# KiCad board alana-kb.kicad_pcb (continued)
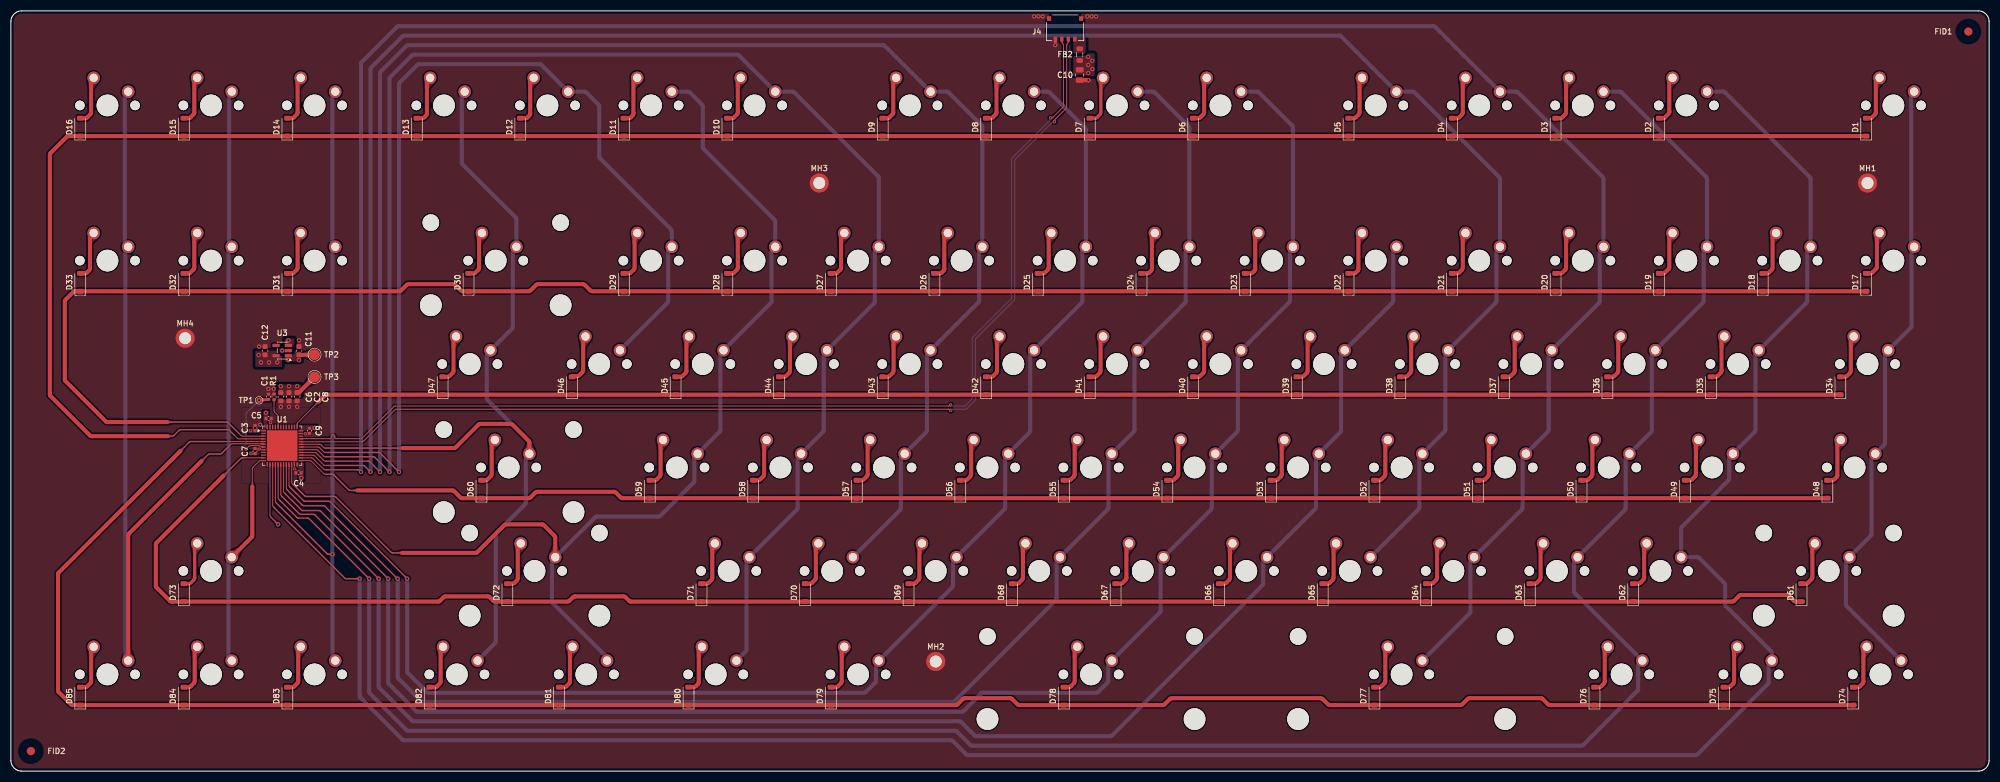
[diagram p0: board, top side]
## Routing (per net, layer and track width the routed paths; a pad name or vN(x,y) marks a point on that pad's centre or on a via; arc(x,y) is an arc through that point)
/Power Supply/3V3: length 4.4
  Top w0.75: C8.1 52.83,69.71 arc(52.99,69.74) 53.12,69.83 TP3.1
  vias: v1(44.07,62.69) v1(44.17,58.46) v2(45.59,76.63) v2(46.02,75.28) v2(46.92,65.99) v2(47.52,75.28) v2(49.02,75.28) v2(49.67,70.89) v2(51.17,70.89) v2(52.67,70.89) v2(53.42,53.99) v2(55.87,63.19)
/Power Supply/5V0: length 2.9
  Top w0.75: TP2.1 55.83,76.65 C11.1
  vias: v2(51.06,79.32) v2(51.06,75.69) v2(53.02,75.69) v2(198.22,131.54) v2(198.22,130.04) v2(198.22,128.54) v2(198.97,130.79) v2(198.97,129.29)
GND: length 2.7
  Top w0.5: v2(192.17,133.69) J4.4
  Top w0.75: C10.2 v2(198.27,127.24)
  vias: v1(45.67,59.29) v1(47.75,64.21) v1(54.19,62.12) v2(45.67,78.19) v2(45.87,63.79) v2(47.37,70.39) v2(48.37,70.39) v2(49.67,67.09) v2(49.92,77.44) v2(51.17,67.09) v2(52.67,67.09) v2(53.02,79.32) v2(188.27,138.98) v2(189.07,138.98) v2(189.87,138.98) v2(198.07,138.99) v2(198.87,138.99) v2(199.67,138.99) v3(52.17,55.69)
/Keyboard Matrix/C1: length 424.2
  Top w0.18: 47.9,46.71 47.79,46.82 arc(47.7,46.95) 47.67,47.1 U1.14
  Top w0.25: v2(49.17,45.44) 47.9,46.71
  In2.Cu w0.75: MX61.1 338.29,42.32 329.42,51.19 54.92,51.19 v2(49.17,45.44)
  Bottom w0.75: MX74.1 337.8,30.36 arc(337.69,30.53) 337.66,30.72 337.66,38.56 arc(337.69,38.75) 337.8,38.91 MX61.1 342.21,43.32 arc(342.32,43.48) 342.36,43.68 342.36,57.55 arc(342.39,57.74) 342.5,57.9 MX48.1 344.71,60.11 arc(344.82,60.27) 344.86,60.46 344.86,76.72 arc(344.89,76.91) 345,77.07 MX34.1 349.58,81.65 arc(349.69,81.81) 349.73,82 349.73,95.88 arc(349.76,96.07) 349.87,96.23 350.2,96.55 349.79,96.96 arc(349.68,97.12) 349.65,97.31 349.65,124.37 arc(349.68,124.56) 349.79,124.72 MX1.1
/Keyboard Matrix/C2: length 457.3
  Top w0.18: U1.15 48.17,48.95 arc(48.2,48.8) 48.29,48.67 48.37,48.59
  Top w0.25: v2(64.17,35.44) 61.69,35.44 arc(61.54,35.47) 61.41,35.55 48.37,48.59
  Bottom w0.75: MX2.1 315.06,125.13 arc(315.26,125.09) 315.42,124.98 331,109.4 arc(331.11,109.24) 331.15,109.05 331.15,96.55 330.68,96.09 arc(330.57,95.93) 330.54,95.74 330.54,86.62 arc(330.5,86.43) 330.39,86.27 MX35.1 321.15,77.03 arc(321.04,76.87) 321.01,76.68 321.01,62.81 arc(320.97,62.62) 320.86,62.45 MX49.1 316.32,57.92 arc(316.21,57.75) 316.18,57.56 316.18,53.9 arc(316.14,53.71) 316.03,53.54 307.48,44.99 arc(307.37,44.83) 307.33,44.64 MX62.1 310.3,39.4 arc(310.49,39.36) 310.66,39.26 315.28,34.63 arc(315.39,34.47) 315.43,34.27 315.43,30.72 arc(315.47,30.53) 315.58,30.37 323.86,22.09 arc(323.97,21.92) 324,21.73 MX75.1 323.54,19.89 arc(323.45,19.76) 323.42,19.61 323.42,16.35 arc(323.39,16.2) 323.31,16.07 310.29,3.05 arc(310.16,2.97) 310.01,2.94 176.09,2.94 arc(175.94,2.97) 175.81,3.05 173.29,5.57 arc(173.16,5.66) 173.01,5.69 72.34,5.69 arc(72.19,5.72) 72.06,5.8 64.29,13.57 arc(64.2,13.7) 64.17,13.85 v2(64.17,35.44)
/Keyboard Matrix/C3: length 427.2
  Top w0.18: U1.17 49.17,50.35 arc(49.2,50.2) 49.29,50.07 49.37,49.99
  Top w0.25: v2(65.92,35.44) 54.89,46.47 arc(54.76,46.56) 54.61,46.59 52.94,46.59 arc(52.79,46.62) 52.66,46.7 49.37,49.99
  Bottom w0.75: MX3.1 296.01,125.13 arc(296.21,125.09) 296.37,124.98 311.95,109.4 arc(312.06,109.24) 312.1,109.05 312.1,96.55 311.62,96.08 arc(311.51,95.92) 311.48,95.73 311.48,86.61 arc(311.44,86.42) 311.33,86.26 MX36.1 302.08,77.01 arc(301.97,76.85) 301.94,76.66 301.94,62.79 arc(301.9,62.6) 301.79,62.43 MX50.1 297.27,57.92 arc(297.16,57.75) 297.13,57.56 297.13,48.45 arc(297.09,48.26) 296.98,48.1 MX63.1 287.77,38.89 arc(287.66,38.73) 287.63,38.54 287.63,33.12 arc(287.66,32.93) 287.77,32.77 MX76.1 299.54,19.7 arc(299.45,19.57) 299.42,19.42 299.42,15.1 arc(299.39,14.95) 299.31,14.82 289.29,4.8 arc(289.16,4.72) 289.01,4.69 176.84,4.69 arc(176.69,4.72) 176.56,4.8 174.04,7.32 arc(173.91,7.41) 173.76,7.44 73.09,7.44 arc(72.94,7.47) 72.81,7.55 66.04,14.32 arc(65.95,14.45) 65.92,14.6 v2(65.92,35.44)
/Keyboard Matrix/C4: length 432.9
  Top w0.18: U1.26 55.31,57.69 arc(55.46,57.66) 55.59,57.57 57.56,55.6 arc(57.69,55.52) 57.84,55.49 58.07,55.49
  Top w0.25: 58.07,55.49 63.86,55.49 arc(64.01,55.46) 64.14,55.37 v2(64.42,55.09)
  Bottom w0.75: MX77.1 268.41,29.05 arc(268.52,29.22) 268.56,29.41 268.56,38.52 arc(268.59,38.71) 268.7,38.87 MX64.1 278.01,48.18 arc(278.12,48.34) 278.16,48.53 278.16,57.64 arc(278.19,57.83) 278.3,58 MX51.1 282.81,62.5 arc(282.92,62.67) 282.96,62.86 282.96,76.73 arc(282.99,76.92) 283.1,77.08 MX37.1 292.21,86.19 arc(292.32,86.35) 292.36,86.54 292.36,95.66 arc(292.39,95.85) 292.5,96.01 293.05,96.55 293.05,109.05 arc(293.01,109.24) 292.9,109.4 277.32,124.98 arc(277.16,125.09) 276.96,125.13 MX4.1 262.05,137.07 arc(261.92,137.16) 261.77,137.19 71.34,137.19 arc(71.19,137.16) 71.06,137.07 64.54,130.55 arc(64.45,130.42) 64.42,130.27 v2(64.42,55.09)
/Keyboard Matrix/C5: length 389
  Top w0.18: 58.07,56.29 57.84,56.29 arc(57.69,56.32) 57.56,56.4 55.89,58.07 arc(55.76,58.16) 55.61,58.19 U1.27
  Top w0.25: 58.07,56.29 64.81,56.29 arc(64.96,56.26) 65.09,56.17 v2(66.17,55.09)
  Bottom w0.75: MX65.1 259.01,48.23 arc(259.12,48.39) 259.16,48.58 259.16,57.69 arc(259.19,57.88) 259.3,58.05 MX52.1 263.81,62.55 arc(263.92,62.72) 263.96,62.91 263.96,76.78 arc(263.99,76.97) 264.1,77.13 MX38.1 273.21,86.24 arc(273.32,86.4) 273.36,86.59 273.36,95.71 arc(273.39,95.9) 273.5,96.06 274,96.55 274,109.05 arc(273.96,109.24) 273.85,109.4 258.27,124.98 arc(258.11,125.09) 257.91,125.13 MX5.1 244.75,135.32 arc(244.62,135.41) 244.47,135.44 72.34,135.44 arc(72.19,135.41) 72.06,135.32 66.29,129.55 arc(66.2,129.42) 66.17,129.27 v2(66.17,55.09)
/Keyboard Matrix/C6: length 300.2
  Top w0.18: U1.18 49.67,50.95 arc(49.7,50.8) 49.79,50.67 49.87,50.59
  Top w0.25: v2(67.67,35.44) 55.94,47.17 arc(55.81,47.26) 55.66,47.29 53.34,47.29 arc(53.19,47.32) 53.06,47.4 49.87,50.59
  Bottom w0.75: v2(67.67,35.44) 67.67,15.6 arc(67.7,15.45) 67.79,15.32 73.81,9.3 arc(73.94,9.22) 74.09,9.19 174.51,9.19 arc(174.66,9.16) 174.79,9.07 177.31,6.55 arc(177.44,6.47) 177.59,6.44 202.32,6.44 arc(202.47,6.47) 202.6,6.55 230.31,34.26 arc(230.39,34.39) 230.42,34.54 230.42,38.53 arc(230.45,38.68) 230.54,38.81 MX66.1 240.01,48.28 arc(240.12,48.44) 240.16,48.63 240.16,57.74 arc(240.19,57.93) 240.3,58.1 MX53.1 244.61,62.4 arc(244.72,62.57) 244.76,62.76 244.76,76.63 arc(244.79,76.82) 244.9,76.98 MX39.1 254.21,86.29 arc(254.32,86.45) 254.36,86.64 254.36,95.76 arc(254.39,95.95) 254.5,96.11 254.95,96.55
/Keyboard Matrix/C7: length 315.3
  Top w0.18: 50.37,51.19 50.29,51.27 arc(50.2,51.4) 50.17,51.55 U1.19
  Top w0.25: 50.37,51.19 53.46,48.1 arc(53.59,48.02) 53.74,47.99 56.71,47.99 arc(56.86,47.96) 56.99,47.87 v2(69.42,35.44)
  Bottom w0.75: v2(69.42,35.44) 69.42,16.35 arc(69.45,16.2) 69.54,16.07 74.56,11.05 arc(74.69,10.97) 74.84,10.94 175.01,10.94 arc(175.16,10.97) 175.29,11.05 178.56,14.32 arc(178.69,14.41) 178.84,14.44 199.76,14.44 arc(199.91,14.47) 200.04,14.55 201.81,16.32 arc(201.89,16.45) 201.92,16.6 201.92,19.55 arc(201.95,19.7) 202.04,19.83 MX78.1 211.41,29.2 arc(211.52,29.37) 211.56,29.56 211.56,38.67 arc(211.59,38.86) 211.7,39.02 MX67.1 220.81,48.13 arc(220.92,48.29) 220.96,48.48 220.96,57.59 arc(220.99,57.78) 221.1,57.95 MX54.1 225.61,62.45 arc(225.72,62.62) 225.76,62.81 225.76,76.68 arc(225.79,76.87) 225.9,77.03 MX40.1 235.21,86.34 arc(235.32,86.5) 235.36,86.69 235.36,95.81 arc(235.39,96) 235.5,96.16 235.9,96.55 235.9,118.54 arc(235.86,118.73) 235.75,118.89 229.66,124.98 arc(229.5,125.09) 229.3,125.13 MX6.1
/Keyboard Matrix/C8: length 290.1
  Top w0.18: 50.85,51.76 50.79,51.82 arc(50.7,51.95) 50.67,52.1 U1.20 ; 71.12,35.44 v2(71.17,35.44)
  Top w0.25: 50.85,51.76 53.61,49 arc(53.74,48.92) 53.89,48.89 57.51,48.89 arc(57.66,48.86) 57.79,48.77 71.12,35.44
  Bottom w0.75: v2(71.17,35.44) 71.17,17.35 arc(71.2,17.2) 71.29,17.07 75.56,12.8 arc(75.69,12.72) 75.84,12.69 173.27,12.69 arc(173.46,12.73) 173.62,12.83 192.28,31.49 arc(192.39,31.65) 192.42,31.84 192.42,38.63 arc(192.45,38.78) 192.54,38.91 MX68.1 201.81,48.18 arc(201.92,48.34) 201.96,48.53 201.96,57.64 arc(201.99,57.83) 202.1,58 MX55.1 206.61,62.5 arc(206.72,62.67) 206.76,62.86 206.76,76.73 arc(206.79,76.92) 206.9,77.08 MX41.1 216.01,86.19 arc(216.12,86.35) 216.16,86.54 216.16,95.66 arc(216.19,95.85) 216.3,96.01 216.85,96.55 216.85,118.39 arc(216.81,118.58) 216.7,118.74 210.46,124.98 arc(210.3,125.09) 210.1,125.13 MX7.1
/Keyboard Matrix/C9: length 268.6
  Top w0.18: U1.21 51.17,52.65 arc(51.2,52.5) 51.29,52.37 51.42,52.24
  Top w0.25: v2(72.92,35.44) 58.79,49.57 arc(58.66,49.66) 58.51,49.69 54.14,49.69 arc(53.99,49.72) 53.86,49.8 51.42,52.24
  Bottom w0.75: v2(72.92,35.44) 72.92,18.35 arc(72.95,18.2) 73.04,18.07 76.56,14.55 arc(76.69,14.47) 76.84,14.44 157.01,14.44 arc(157.16,14.47) 157.29,14.55 159.06,16.32 arc(159.14,16.45) 159.17,16.6 159.17,19.66 arc(159.2,19.82) 159.29,19.95 MX79.1 173.21,33.87 arc(173.32,34.03) 173.36,34.22 173.36,38.57 arc(173.39,38.76) 173.5,38.92 MX69.1 182.81,48.23 arc(182.92,48.39) 182.96,48.58 182.96,57.69 arc(182.99,57.88) 183.1,58.05 MX56.1 187.41,62.35 arc(187.52,62.52) 187.56,62.71 187.56,76.58 arc(187.59,76.77) 187.7,76.93 MX42.1 197.01,86.24 arc(197.12,86.4) 197.16,86.59 197.16,95.71 arc(197.19,95.9) 197.3,96.06 197.8,96.55 197.8,118.1 arc(197.76,118.29) 197.65,118.46 191.13,124.98 arc(190.96,125.09) 190.77,125.13 MX8.1
/Keyboard Matrix/C10: length 297.7
  Top w0.18: 58.07,57.09 57.84,57.09 arc(57.69,57.12) 57.56,57.2 56.19,58.57 arc(56.06,58.66) 55.91,58.69 U1.28
  Top w0.25: 58.07,57.09 65.76,57.09 arc(65.91,57.06) 66.04,56.97 v2(67.92,55.09)
  Bottom w0.75: MX70.1 163.61,48.08 arc(163.72,48.24) 163.76,48.43 163.76,57.54 arc(163.79,57.73) 163.9,57.9 MX57.1 168.41,62.4 arc(168.52,62.57) 168.56,62.76 168.56,76.63 arc(168.59,76.82) 168.7,76.98 MX43.1 178.01,86.29 arc(178.12,86.45) 178.16,86.64 178.16,95.76 arc(178.19,95.95) 178.3,96.11 178.75,96.55 178.75,118.57 arc(178.71,118.76) 178.6,118.92 172.54,124.98 arc(172.38,125.09) 172.19,125.13 MX9.1 160.78,133.57 arc(160.65,133.66) 160.5,133.69 73.09,133.69 arc(72.94,133.66) 72.81,133.57 68.04,128.8 arc(67.95,128.67) 67.92,128.52 v2(67.92,55.09)
/Keyboard Matrix/C11: length 291.3
  Top w0.18: U1.29 56.21,59.19 arc(56.36,59.16) 56.49,59.07 57.56,58 arc(57.69,57.92) 57.84,57.89 58.07,57.89
  Top w0.25: v2(69.67,55.09) 66.99,57.77 arc(66.86,57.86) 66.71,57.89 58.07,57.89
  Bottom w0.75: MX80.1 135.21,22.06 arc(135.32,22.22) 135.36,22.41 135.36,38.67 arc(135.39,38.86) 135.5,39.02 MX71.1 144.61,48.13 arc(144.72,48.29) 144.76,48.48 144.76,57.59 arc(144.79,57.78) 144.9,57.95 MX58.1 149.41,62.45 arc(149.52,62.62) 149.56,62.81 149.56,76.68 arc(149.59,76.87) 149.7,77.03 MX44.1 158.81,86.14 arc(158.92,86.3) 158.96,86.49 158.96,95.61 arc(158.99,95.8) 159.1,95.96 159.7,96.55 159.7,109.22 arc(159.66,109.41) 159.55,109.57 144.14,124.98 arc(143.98,125.09) 143.79,125.13 MX10.1 133.95,131.82 arc(133.82,131.91) 133.67,131.94 74.09,131.94 arc(73.94,131.91) 73.81,131.82 69.79,127.8 arc(69.7,127.67) 69.67,127.52 v2(69.67,55.09)
/Keyboard Matrix/C12: length 206.3
  Top w0.18: 51.87,52.89 51.79,52.97 arc(51.7,53.1) 51.67,53.25 U1.22
  Top w0.25: 51.87,52.89 54.06,50.7 arc(54.19,50.62) 54.34,50.59 59.51,50.59 arc(59.66,50.56) 59.79,50.47 69.96,40.3 arc(70.09,40.22) 70.24,40.19 71.97,40.19
  Top w0.75: 71.97,40.19 85.51,40.19 arc(85.66,40.22) 85.79,40.3 90.81,45.32 arc(90.94,45.41) 91.09,45.44 97.76,45.44 arc(97.91,45.41) 98.04,45.32 100.05,43.31 arc(100.14,43.18) 100.17,43.03 MX72.1
  Bottom w0.75: MX11.1 124.56,125.13 arc(124.76,125.09) 124.92,124.98 127.17,122.73 arc(127.27,122.57) 127.31,122.38 127.31,114.93 arc(127.35,114.74) 127.46,114.58 140.5,101.54 arc(140.61,101.38) 140.65,101.19 140.65,96.55 140.1,96.01 arc(139.99,95.85) 139.96,95.66 139.96,86.54 arc(139.92,86.35) 139.81,86.19 MX45.1 130.7,77.08 arc(130.59,76.92) 130.56,76.73 130.56,62.86 arc(130.52,62.67) 130.41,62.5 MX59.1 125.9,58 arc(125.79,57.83) 125.76,57.64 125.76,53.49 arc(125.72,53.3) 125.61,53.14 119.5,47.03 arc(119.34,46.92) 119.15,46.88 107.85,46.88 arc(107.66,46.84) 107.5,46.74 MX72.1 99.7,38.94 arc(99.59,38.78) 99.56,38.59 99.56,31.3 arc(99.59,31.11) 99.7,30.94 109.54,21.1 arc(109.65,20.94) 109.69,20.75 MX81.1
/Keyboard Matrix/C13: length 187.3
  Top w0.18: 58.07,58.69 57.84,58.69 arc(57.69,58.72) 57.56,58.8 56.79,59.57 arc(56.66,59.66) 56.51,59.69 U1.30
  Top w0.25: v2(71.42,55.09) 67.94,58.57 arc(67.81,58.66) 67.66,58.69 58.07,58.69
  Bottom w0.75: v2(71.42,55.09) 71.42,126.52 arc(71.45,126.67) 71.54,126.8 74.81,130.07 arc(74.94,130.16) 75.09,130.19 97.32,130.19 arc(97.47,130.16) 97.6,130.07 MX12.1 105.51,125.13 arc(105.71,125.09) 105.87,124.98 108.12,122.73 arc(108.22,122.57) 108.26,122.38 108.26,113.18 arc(108.3,112.99) 108.41,112.83 121.45,99.79 arc(121.56,99.63) 121.6,99.44 121.6,96.55 121.1,96.06 arc(120.99,95.9) 120.96,95.71 120.96,86.59 arc(120.92,86.4) 120.81,86.24 MX46.1
/Keyboard Matrix/C14: length 166
  Top w0.18: 58.07,59.49 57.84,59.49 arc(57.69,59.52) 57.56,59.6 57.09,60.07 arc(56.96,60.16) 56.81,60.19 U1.31
  Top w0.25: 72.07,59.49 58.07,59.49
  Top w0.75: 72.07,59.49 81.56,59.49 arc(81.71,59.52) 81.84,59.6 86.06,63.82 arc(86.19,63.91) 86.34,63.94 92.01,63.94 arc(92.16,63.91) 92.29,63.82 95.29,60.83 arc(95.37,60.7) 95.4,60.54 MX60.1
  Bottom w0.75: MX13.1 83.1,124.73 arc(82.99,124.57) 82.96,124.38 82.96,112.09 arc(82.99,111.9) 83.1,111.74 92.88,101.96 arc(92.98,101.8) 93.02,101.61 93.02,96.55 92.5,96.03 arc(92.39,95.87) 92.36,95.68 92.36,81.81 arc(92.32,81.62) 92.21,81.45 87.7,76.95 arc(87.59,76.78) 87.56,76.59 87.56,68.69 arc(87.59,68.5) 87.7,68.34 95.26,60.78 arc(95.37,60.62) 95.4,60.43 MX60.1 94.9,57.95 arc(94.79,57.79) 94.76,57.6 94.76,49.49 arc(94.72,49.3) 94.61,49.14 89.36,43.88 arc(89.25,43.72) 89.21,43.53 89.21,23.89 arc(89.17,23.7) 89.07,23.54 MX82.1
/Keyboard Matrix/C15: length 127
  Top w0.18: U1.16 48.67,49.7 arc(48.7,49.55) 48.79,49.42 48.9,49.31
  Top w0.25: 48.9,49.31 58.16,40.05 arc(58.29,39.97) 58.44,39.94 v2(59.17,39.94)
  Bottom w0.75: MX83.1 59.29,20.75 arc(59.2,20.87) 59.17,21.03 v2(59.17,39.94) 59.17,95.88 arc(59.2,96.03) 59.29,96.16 59.68,96.55 59.3,96.93 arc(59.19,97.1) 59.16,97.29 59.16,124.39 arc(59.19,124.58) 59.3,124.75 MX14.1
/Keyboard Matrix/C16: length 126.6
  Top w0.18: 44.42,52.39 44.42,55.67 arc(44.45,55.82) 44.54,55.95 45.66,57.07 arc(45.79,57.16) 45.94,57.19 U1.12
  Top w0.75: MX73.1 44.31,43.08 arc(44.39,43.2) 44.42,43.36 44.42,52.39
  Bottom w0.75: MX15.1 40.3,124.8 arc(40.19,124.63) 40.16,124.44 40.16,97.24 arc(40.19,97.05) 40.3,96.88 40.63,96.55 40.2,96.12 arc(40.09,95.96) 40.06,95.77 40.06,40.19 arc(40.09,40) 40.2,39.83 MX73.1 40.18,38.95 arc(40.07,38.79) 40.04,38.6 40.04,21.16 arc(40.07,20.97) 40.18,20.8 MX84.1
/Keyboard Matrix/C17: length 160.7
  Top w0.18: 40.22,59.94 40.46,60.17 arc(40.59,60.26) 40.74,60.29 46.39,60.29 U1.6
  Top w0.25: 40.22,59.94 38.79,58.5 arc(38.66,58.42) 38.51,58.39 36.54,58.39 arc(36.39,58.36) 36.26,58.27 35.07,57.09
  Top w0.75: MX85.1 21.58,43.43 arc(21.61,43.58) 21.7,43.71 35.07,57.09
  Bottom w0.75: MX85.1 21.21,20.72 arc(21.1,20.89) 21.07,21.08 21.07,95.83 arc(21.1,96.02) 21.21,96.18 21.58,96.55 21.1,97.03 arc(20.99,97.2) 20.96,97.39 20.96,124.29 arc(20.99,124.48) 21.1,124.65 MX16.1
/Keyboard Matrix/R1: length 423.5
  Top w0.18: 41.07,61.89 41.66,61.3 arc(41.79,61.22) 41.94,61.19 U1.4
  Top w0.25: 41.07,61.89 40.19,62.77 arc(40.06,62.86) 39.91,62.89 31.24,62.89 arc(31.09,62.86) 30.96,62.77 29.99,61.8 arc(29.86,61.72) 29.71,61.69 28.87,61.69
  Top w0.75: 28.87,61.69 14.84,61.69 arc(14.69,61.72) 14.56,61.8 7.29,69.07 arc(7.2,69.2) 7.17,69.35 7.17,113.52 arc(7.2,113.67) 7.29,113.8 10.31,116.82 arc(10.44,116.91) 10.59,116.94 D16.1 D15.1 D14.1 D13.1 D12.1 D11.1 D10.1 D9.1 D8.1 D7.1 D6.1 D5.1 D4.1 D3.1 D2.1 D1.1
/Keyboard Matrix/R2: length 389.6
  Top w0.18: 41.92,62.24 42.36,61.8 arc(42.49,61.72) 42.64,61.69 U1.3
  Top w0.25: 28.77,64.29 39.71,64.29 arc(39.86,64.26) 39.99,64.17 41.92,62.24
  Top w0.75: 28.77,64.29 17.74,64.29 arc(17.59,64.32) 17.46,64.4 10.04,71.82 arc(9.95,71.95) 9.92,72.1 9.92,86.52 arc(9.95,86.67) 10.04,86.8 11.48,88.25 arc(11.61,88.33) 11.76,88.36 D33.1 D32.1 D31.1 71.45,88.36 arc(71.64,88.4) 71.8,88.51 72.83,89.54 arc(73,89.65) 73.19,89.69 81.42,89.69 arc(81.61,89.65) 81.78,89.54 82.81,88.51 arc(82.97,88.4) 83.16,88.36 D30.1 95.26,88.36 arc(95.45,88.4) 95.61,88.51 96.65,89.54 arc(96.81,89.65) 97,89.69 105.24,89.69 arc(105.43,89.65) 105.59,89.54 106.62,88.51 arc(106.78,88.4) 106.98,88.36 D29.1 D28.1 D27.1 D26.1 D25.1 D24.1 D23.1 D22.1 D21.1 D20.1 D19.1 D18.1 D17.1
/Keyboard Matrix/R3: length 286.8
  Top w0.18: 56.62,68.04 52.79,64.2 arc(52.7,64.07) 52.67,63.92 U1.37
  Top w0.75: D34.1 D35.1 D36.1 D37.1 D38.1 D39.1 D40.1 D41.1 D42.1 D43.1 D44.1 D45.1 D46.1 D47.1 58.06,69.31 arc(57.91,69.28) 57.78,69.2 56.62,68.04
/Keyboard Matrix/R4: length 284.5
  Top w0.18: 58.07,54.69 57.84,54.69 arc(57.69,54.72) 57.56,54.8 55.29,57.07 arc(55.16,57.16) 55.01,57.19 U1.25
  Top w0.25: 63.77,51.69 62.44,51.69 arc(62.29,51.72) 62.16,51.8 59.39,54.57 arc(59.26,54.66) 59.11,54.69 58.07,54.69
  Top w0.75: 334.24,50.26 112.56,50.26 arc(112.37,50.3) 112.2,50.41 111.32,51.29 arc(111.16,51.4) 110.97,51.44 96.85,51.44 arc(96.66,51.4) 96.5,51.29 95.61,50.41 arc(95.45,50.3) 95.26,50.26 83.01,50.26 arc(82.86,50.29) 82.73,50.38 81.54,51.57 arc(81.41,51.66) 81.26,51.69 63.77,51.69
/Keyboard Matrix/R5: length 340.6
  Top w0.18: 42.87,57.69 U1.11
  Top w0.25: 42.87,57.69 42.59,57.69 arc(42.44,57.66) 42.31,57.57 39.15,54.41
  Top w0.75: 39.15,54.41 26.79,42.05 arc(26.7,41.92) 26.67,41.77 26.67,34.1 arc(26.7,33.95) 26.79,33.82 29.28,31.33 arc(29.41,31.24) 29.56,31.21 D73.1 78.59,31.21 arc(78.78,31.25) 78.95,31.36 79.63,32.04 arc(79.79,32.15) 79.98,32.19 87.75,32.19 arc(87.94,32.15) 88.11,32.04 88.79,31.36 arc(88.95,31.25) 89.14,31.21 D72.1 102.4,31.21 arc(102.6,31.25) 102.76,31.36 103.44,32.04 arc(103.6,32.15) 103.79,32.19 112.73,32.19 arc(112.92,32.15) 113.08,32.04 113.77,31.36 arc(113.93,31.25) 114.12,31.21 D71.1 D70.1 D69.1 D68.1 D67.1 D66.1 D65.1 D64.1 D63.1 D62.1 316.72,31.21 arc(316.91,31.25) 317.07,31.36 318,32.29 arc(318.17,32.4) 318.36,32.44 326.79,32.44 arc(326.98,32.4) 327.15,32.29 328.08,31.36 arc(328.24,31.25) 328.43,31.21 D61.1
/Keyboard Matrix/R6: length 403.8
  Top w0.18: 39.37,60.69 U1.5
  Top w0.25: 39.37,60.69 33.09,60.69 arc(32.94,60.66) 32.81,60.57 31.2,58.96
  Top w0.75: D74.1 D75.1 D76.1 283.19,12.16 arc(283,12.2) 282.83,12.31 281.85,13.29 arc(281.69,13.4) 281.5,13.44 268.4,13.44 arc(268.21,13.4) 268.05,13.29 267.06,12.31 arc(266.9,12.2) 266.71,12.16 D77.1 242.71,12.16 arc(242.52,12.2) 242.35,12.31 241.37,13.29 arc(241.21,13.4) 241.02,13.44 213.63,13.44 arc(213.44,13.4) 213.28,13.29 212.3,12.31 arc(212.13,12.2) 211.94,12.16 D78.1 185.56,12.16 arc(185.37,12.2) 185.2,12.31 184.22,13.29 arc(184.06,13.4) 183.87,13.44 175.53,13.44 arc(175.34,13.4) 175.18,13.29 174.2,12.31 arc(174.03,12.2) 173.84,12.16 D79.1 D80.1 D81.1 D82.1 D83.1 D84.1 D85.1 11.36,12.16 arc(11.21,12.19) 11.08,12.28 8.79,14.57 arc(8.7,14.7) 8.67,14.85 8.67,36.27 arc(8.7,36.42) 8.79,36.55 31.2,58.96
/STM32/BOOT0: length 5.3
  Top w0.18: R1.1 48.42,66.4 arc(48.45,66.25) 48.54,66.12 49.06,65.6 arc(49.14,65.47) 49.17,65.32 U1.44
/STM32/MCU_D_N: length 201
  Top w0.181: v1(192.03,119.58) 192.03,119.71 arc(192.06,119.87) 192.15,120 194.15,122 arc(194.23,122.13) 194.26,122.28 194.26,133.66 arc(194.3,133.82) 194.38,133.95 194.46,134.02 arc(194.54,134.15) 194.57,134.3 J4.2 ; U1.32 53.4,60.65 64.62,60.65 arc(64.78,60.68) 64.91,60.76 70.67,66.53 arc(70.8,66.62) 70.95,66.65 172.55,66.65 arc(172.7,66.62) 172.83,66.53 v1(172.92,66.44)
  Bottom w0.181: v1(172.92,66.44) 173.02,66.53 arc(173.15,66.62) 173.3,66.65 175.63,66.65 arc(175.78,66.68) 175.91,66.76 177.35,68.2 arc(177.43,68.33) 177.46,68.48 177.46,79.4 arc(177.5,79.55) 177.58,79.68 184.6,86.7 arc(184.68,86.83) 184.71,86.98 184.71,112.4 arc(184.75,112.55) 184.83,112.68 191.61,119.47 arc(191.74,119.55) 191.9,119.58 v1(192.03,119.58)
/STM32/MCU_D_P: length 201
  Top w0.181: U1.33 53.4,61.23 58.76,61.23 arc(58.93,61.3) 59,61.47 59,61.67 arc(59.07,61.84) 59.24,61.91 59.36,61.91 arc(59.53,61.84) 59.6,61.67 59.6,61.47 arc(59.67,61.3) 59.84,61.23 64.38,61.23 arc(64.54,61.26) 64.67,61.34 70.43,67.11 arc(70.56,67.2) 70.71,67.23 172.55,67.23 arc(172.7,67.26) 172.83,67.34 v1(172.92,67.44) ; J4.3 193.37,134.3 arc(193.4,134.15) 193.49,134.02 193.57,133.95 arc(193.65,133.82) 193.68,133.66 193.68,122.52 arc(193.65,122.37) 193.57,122.24 191.73,120.41 arc(191.6,120.32) 191.45,120.29 v1(191.32,120.29)
  Bottom w0.181: v1(191.32,120.29) 191.32,120.16 arc(191.29,120.01) 191.2,119.88 184.25,112.92 arc(184.16,112.79) 184.13,112.64 184.13,87.22 arc(184.1,87.07) 184.02,86.94 177,79.92 arc(176.91,79.79) 176.88,79.64 176.88,68.72 arc(176.85,68.57) 176.77,68.44 175.67,67.34 arc(175.54,67.26) 175.39,67.23 173.3,67.23 arc(173.15,67.26) 173.02,67.34 v1(172.92,67.44)
/STM32/NRST: length 15.4
  Top w0.18: v1(43.27,59.29) 43.81,59.82 arc(43.94,59.91) 44.09,59.94 45.63,59.94 arc(45.79,59.91) 45.92,59.82 45.93,59.8 arc(46.06,59.72) 46.21,59.69 U1.7 ; C1.1 47.42,68.44 47.37,68.39
  Top w0.5: v2(45.67,68.29) 45.77,68.39 47.35,68.39 C1.1
  Bottom w0.18: v2(45.67,68.29) 43.39,66 arc(43.3,65.87) 43.27,65.72 v1(43.27,59.29)
Net-(D1-A): length 8.9
  Top w0.75: D1.2 342.1,120.24 arc(342.3,120.28) 342.46,120.38 343.01,120.94 arc(343.12,121.1) 343.16,121.29 343.16,126.77 arc(343.19,126.96) 343.3,127.12 MX1.2
Net-(D2-A): length 8.9
  Top w0.75: D2.2 303.99,120.24 arc(304.18,120.28) 304.35,120.38 305.01,121.05 arc(305.12,121.21) 305.16,121.4 305.16,126.87 arc(305.19,127.06) 305.3,127.22 MX2.2
Net-(D3-A): length 9
  Top w0.75: D3.2 285.1,120.24 arc(285.3,120.28) 285.46,120.38 286.01,120.94 arc(286.12,121.1) 286.16,121.29 286.16,126.92 arc(286.19,127.11) 286.3,127.27 MX3.2
Net-(D4-A): length 9
  Top w0.75: MX4.2 267.3,127.32 arc(267.19,127.16) 267.16,126.97 267.16,121.29 arc(267.12,121.1) 267.01,120.94 266.46,120.38 arc(266.3,120.28) 266.1,120.24 D4.2
Net-(D5-A): length 9.1
  Top w0.75: MX5.2 248.3,127.37 arc(248.19,127.21) 248.16,127.02 248.16,121.29 arc(248.12,121.1) 248.01,120.94 247.46,120.38 arc(247.3,120.28) 247.1,120.24 D5.2
Net-(D6-A): length 9.1
  Top w0.75: MX6.2 219.7,127.35 arc(219.59,127.19) 219.56,127 219.56,121.29 arc(219.52,121.1) 219.41,120.94 218.86,120.38 arc(218.7,120.28) 218.5,120.24 D6.2
Net-(D7-A): length 9.1
  Top w0.6: MX7.2 200.7,127.4 arc(200.59,127.24) 200.56,127.05 200.56,121.29 arc(200.52,121.1) 200.41,120.94 199.86,120.38 arc(199.7,120.28) 199.5,120.24 D7.2
Net-(D8-A): length 9
  Top w0.75: MX8.2 181.5,127.25 arc(181.39,127.09) 181.36,126.9 181.36,121.29 arc(181.32,121.1) 181.21,120.94 180.66,120.38 arc(180.5,120.28) 180.3,120.24 D8.2
Net-(D9-A): length 9
  Top w0.75: MX9.2 162.5,127.3 arc(162.39,127.14) 162.36,126.95 162.36,121.29 arc(162.32,121.1) 162.21,120.94 161.66,120.38 arc(161.5,120.28) 161.3,120.24 D9.2
Net-(D10-A): length 9
  Top w0.75: D10.2 132.7,120.24 arc(132.9,120.28) 133.06,120.38 133.61,120.94 arc(133.72,121.1) 133.76,121.29 133.76,126.92 arc(133.79,127.11) 133.9,127.27 MX10.2
Net-(D11-A): length 9
  Top w0.75: MX11.2 114.7,127.12 arc(114.59,126.96) 114.56,126.77 114.56,121.09 arc(114.52,120.9) 114.41,120.74 114.06,120.38 arc(113.9,120.28) 113.7,120.24 D11.2
Net-(D12-A): length 9.1
  Top w0.75: D12.2 94.7,120.24 arc(94.9,120.28) 95.06,120.38 95.41,120.74 arc(95.52,120.9) 95.56,121.09 95.56,126.82 arc(95.59,127.01) 95.7,127.17 MX12.2
Net-(D13-A): length 9.1
  Top w0.75: D13.2 75.7,120.24 arc(75.9,120.28) 76.06,120.38 76.41,120.74 arc(76.52,120.9) 76.56,121.09 76.56,126.87 arc(76.59,127.06) 76.7,127.22 MX13.2
Net-(D14-A): length 9
  Top w0.75: D14.2 51.7,120.24 arc(51.9,120.28) 52.06,120.38 52.61,120.94 arc(52.72,121.1) 52.76,121.29 52.76,126.88 arc(52.79,127.07) 52.9,127.24 MX14.2
Net-(D15-A): length 9
  Top w0.75: D15.2 32.7,120.24 arc(32.9,120.28) 33.06,120.38 33.61,120.94 arc(33.72,121.1) 33.76,121.29 33.76,126.93 arc(33.79,127.12) 33.9,127.29 MX15.2
Net-(D16-A): length 9.1
  Top w0.75: MX16.2 14.9,127.34 arc(14.79,127.17) 14.76,126.98 14.76,121.29 arc(14.72,121.1) 14.61,120.94 14.06,120.38 arc(13.9,120.28) 13.7,120.24 D16.2
Net-(D17-A): length 9
  Top w0.75: D17.2 342.15,91.66 arc(342.35,91.7) 342.51,91.81 343.21,92.51 arc(343.32,92.67) 343.36,92.86 343.36,98.4 arc(343.39,98.59) 343.5,98.75 MX17.2
Net-(D18-A): length 9
  Top w0.75: MX18.2 324.3,98.6 arc(324.19,98.44) 324.16,98.25 324.16,92.69 arc(324.12,92.5) 324.01,92.34 323.48,91.81 arc(323.32,91.7) 323.13,91.66 D18.2
Net-(D19-A): length 8.9
  Top w0.75: D19.2 304,91.66 arc(304.2,91.7) 304.36,91.81 305.01,92.46 arc(305.12,92.62) 305.16,92.81 305.16,98.3 arc(305.19,98.49) 305.3,98.65 MX19.2
Net-(D20-A): length 9
  Top w0.75: D20.2 285.13,91.66 arc(285.32,91.7) 285.48,91.81 286.01,92.34 arc(286.12,92.5) 286.16,92.69 286.16,98.35 arc(286.19,98.54) 286.3,98.7 MX20.2
Net-(D21-A): length 9.1
  Top w0.75: D21.2 266.13,91.66 arc(266.32,91.7) 266.48,91.81 267.01,92.34 arc(267.12,92.5) 267.16,92.69 267.16,98.4 arc(267.19,98.59) 267.3,98.75 MX21.2
Net-(D22-A): length 9.1
  Top w0.75: D22.2 247.13,91.66 arc(247.32,91.7) 247.48,91.81 247.81,92.14 arc(247.92,92.3) 247.96,92.49 247.96,98.25 arc(247.99,98.44) 248.1,98.6 MX22.2
Net-(D23-A): length 9.1
  Top w0.75: MX23.2 229.1,98.65 arc(228.99,98.49) 228.96,98.3 228.96,92.49 arc(228.92,92.3) 228.81,92.14 228.48,91.81 arc(228.32,91.7) 228.13,91.66 D23.2
Net-(D24-A): length 9.1
  Top w0.75: MX24.2 210.1,98.7 arc(209.99,98.54) 209.96,98.35 209.96,92.49 arc(209.92,92.3) 209.81,92.14 209.48,91.81 arc(209.32,91.7) 209.13,91.66 D24.2
Net-(D25-A): length 9.1
  Top w0.75: MX25.2 191.1,98.75 arc(190.99,98.59) 190.96,98.4 190.96,92.69 arc(190.92,92.5) 190.81,92.34 190.28,91.81 arc(190.12,91.7) 189.93,91.66 D25.2
Net-(D26-A): length 9.1
  Top w0.75: MX26.2 171.9,98.6 arc(171.79,98.44) 171.76,98.25 171.76,92.49 arc(171.72,92.3) 171.61,92.14 171.28,91.81 arc(171.12,91.7) 170.93,91.66 D26.2
Net-(D27-A): length 9
  Top w0.75: D27.2 151.73,91.66 arc(151.92,91.7) 152.08,91.81 152.61,92.34 arc(152.72,92.5) 152.76,92.69 152.76,98.3 arc(152.79,98.49) 152.9,98.65 MX27.2
Net-(D28-A): length 9
  Top w0.75: D28.2 132.73,91.66 arc(132.92,91.7) 133.08,91.81 133.61,92.34 arc(133.72,92.5) 133.76,92.69 133.76,98.35 arc(133.79,98.54) 133.9,98.7 MX28.2
Net-(D29-A): length 9.1
  Top w0.75: MX29.2 114.9,98.75 arc(114.79,98.59) 114.76,98.4 114.76,92.69 arc(114.72,92.5) 114.61,92.34 114.08,91.81 arc(113.92,91.7) 113.73,91.66 D29.2
Net-(D30-A): length 9
  Top w0.75: MX30.2 86.3,98.72 arc(86.19,98.56) 86.16,98.37 86.16,92.69 arc(86.12,92.5) 86.01,92.34 85.48,91.81 arc(85.32,91.7) 85.13,91.66 D30.2
Net-(D31-A): length 9
  Top w0.75: D31.2 51.73,91.66 arc(51.92,91.7) 52.08,91.81 52.61,92.34 arc(52.72,92.5) 52.76,92.69 52.76,98.31 arc(52.79,98.5) 52.9,98.66 MX31.2
Net-(D32-A): length 9
  Top w0.75: MX32.2 33.9,98.71 arc(33.79,98.55) 33.76,98.36 33.76,92.75 arc(33.72,92.55) 33.61,92.39 33.03,91.81 arc(32.86,91.7) 32.67,91.66 D32.2
Net-(D33-A): length 9
  Top w0.75: MX33.2 14.7,98.56 arc(14.59,98.4) 14.56,98.21 14.56,92.57 arc(14.52,92.38) 14.41,92.22 14,91.81 arc(13.84,91.7) 13.65,91.66 D33.2
Net-(D34-A): length 9
  Top w0.75: 336.62,72.61 337.48,72.61 arc(337.67,72.65) 337.83,72.76 338.41,73.34 arc(338.52,73.5) 338.56,73.69 338.56,79.31 arc(338.59,79.5) 338.7,79.66 MX34.2
Net-(D35-A): length 9
  Top w0.75: 312.81,72.61 313.68,72.61 arc(313.87,72.65) 314.03,72.76 314.61,73.34 arc(314.72,73.5) 314.76,73.69 314.76,79.32 arc(314.79,79.51) 314.9,79.67 MX35.2
Net-(D36-A): length 9
  Top w0.75: MX36.2 295.9,79.72 arc(295.79,79.56) 295.76,79.37 295.76,73.69 arc(295.72,73.5) 295.61,73.34 295.03,72.76 arc(294.87,72.65) 294.68,72.61 293.76,72.61
Net-(D37-A): length 9
  Top w0.75: MX37.2 276.85,79.72 arc(276.74,79.56) 276.71,79.37 276.71,73.69 arc(276.67,73.5) 276.56,73.34 275.98,72.76 arc(275.82,72.65) 275.63,72.61 274.71,72.61
Net-(D38-A): length 9
  Top w0.75: 255.66,72.61 256.58,72.61 arc(256.77,72.65) 256.93,72.76 257.51,73.34 arc(257.62,73.5) 257.66,73.69 257.66,79.37 arc(257.69,79.56) 257.8,79.72 MX38.2
Net-(D39-A): length 9
  Top w0.75: 236.61,72.61 237.53,72.61 arc(237.72,72.65) 237.88,72.76 238.46,73.34 arc(238.57,73.5) 238.61,73.69 238.61,79.37 arc(238.64,79.56) 238.75,79.72 MX39.2
Net-(D40-A): length 9
  Top w0.75: MX40.2 219.7,79.72 arc(219.59,79.56) 219.56,79.37 219.56,73.69 arc(219.52,73.5) 219.41,73.34 218.83,72.76 arc(218.67,72.65) 218.48,72.61 217.56,72.61
Net-(D41-A): length 9
  Top w0.75: 198.51,72.61 199.43,72.61 arc(199.62,72.65) 199.78,72.76 200.36,73.34 arc(200.47,73.5) 200.51,73.69 200.51,79.37 arc(200.54,79.56) 200.65,79.72 MX41.2
Net-(D42-A): length 9
  Top w0.75: MX42.2 181.6,79.72 arc(181.49,79.56) 181.46,79.37 181.46,73.69 arc(181.42,73.5) 181.31,73.34 180.73,72.76 arc(180.57,72.65) 180.38,72.61 179.46,72.61
Net-(D43-A): length 9
  Top w0.75: 160.41,72.61 161.33,72.61 arc(161.52,72.65) 161.68,72.76 162.26,73.34 arc(162.37,73.5) 162.41,73.69 162.41,79.37 arc(162.44,79.56) 162.55,79.72 MX43.2
Net-(D44-A): length 9
  Top w0.75: 141.36,72.61 142.28,72.61 arc(142.47,72.65) 142.63,72.76 143.21,73.34 arc(143.32,73.5) 143.36,73.69 143.36,79.37 arc(143.39,79.56) 143.5,79.72 MX44.2
Net-(D45-A): length 9
  Top w0.75: MX45.2 124.45,79.72 arc(124.34,79.56) 124.31,79.37 124.31,73.69 arc(124.27,73.5) 124.16,73.34 123.58,72.76 arc(123.42,72.65) 123.23,72.61 122.31,72.61
Net-(D46-A): length 9
  Top w0.75: 103.31,72.74 104.23,72.74 arc(104.42,72.78) 104.58,72.89 105.16,73.46 arc(105.27,73.63) 105.31,73.82 105.31,79.5 arc(105.35,79.69) 105.45,79.85 105.77,80.17
